# Altium PCB motordriver-v5.2.PcbDoc (part 1 of 7) (continued)
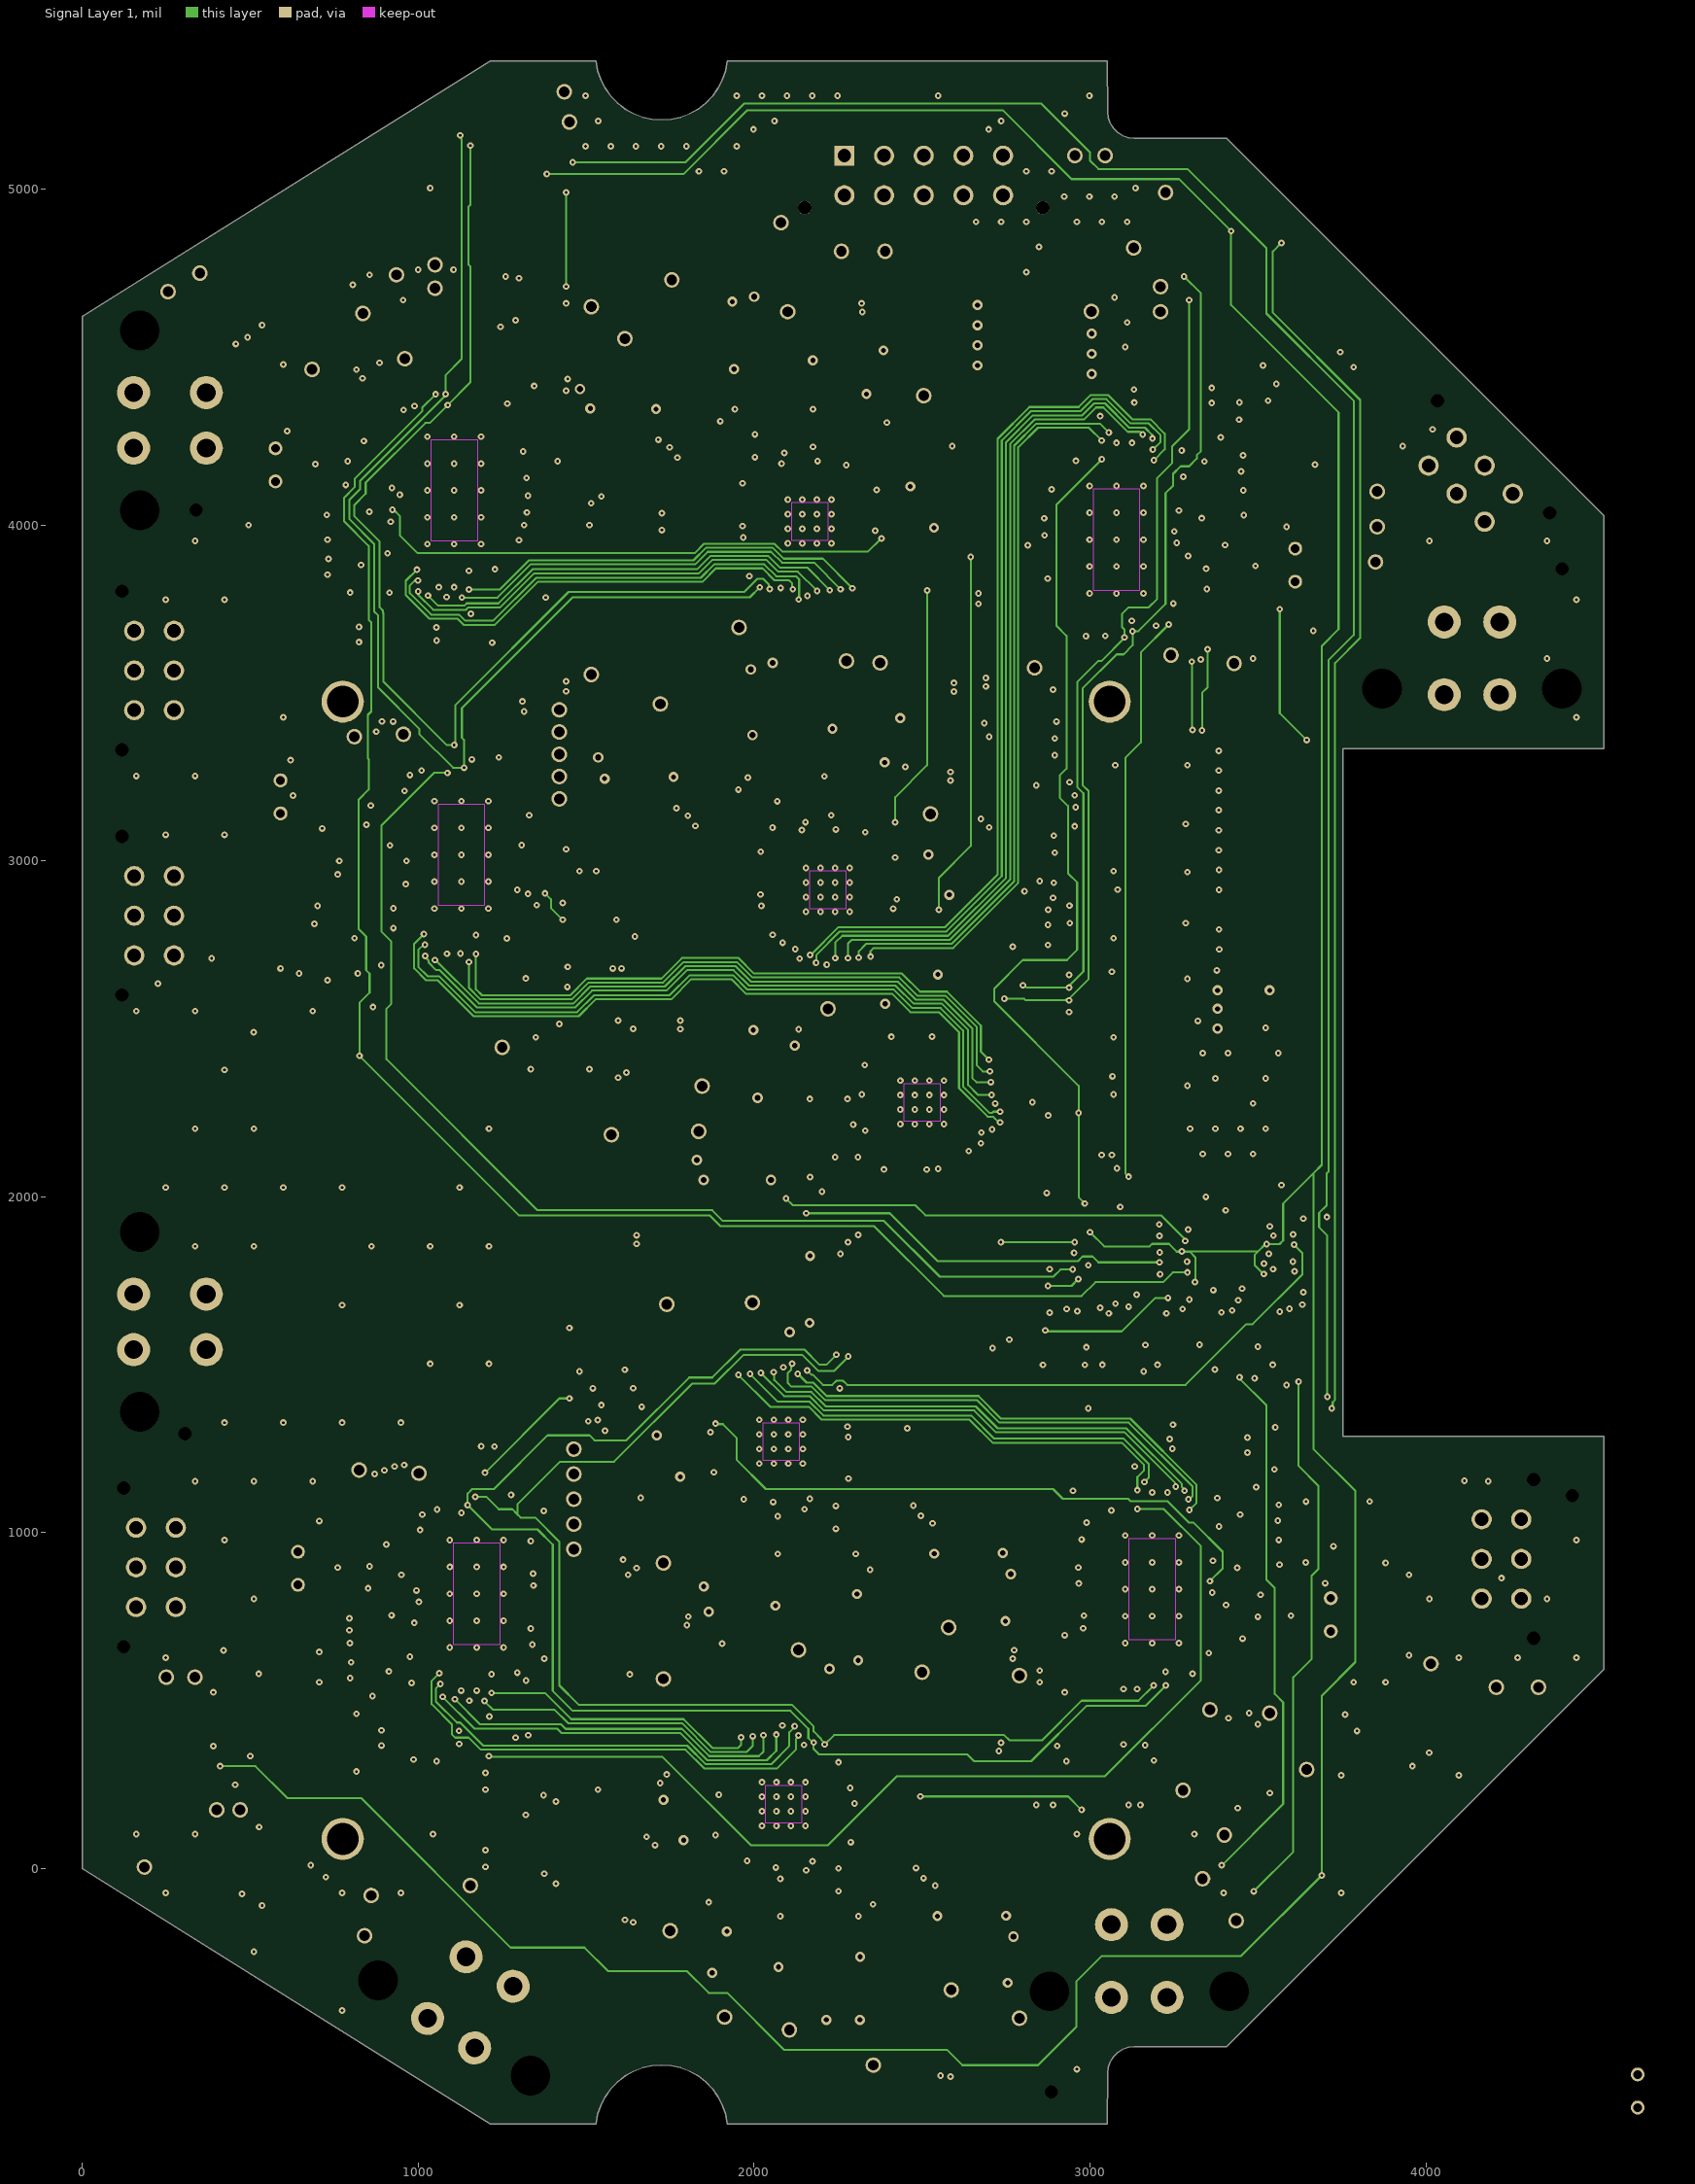
[diagram p3: Signal Layer 1]
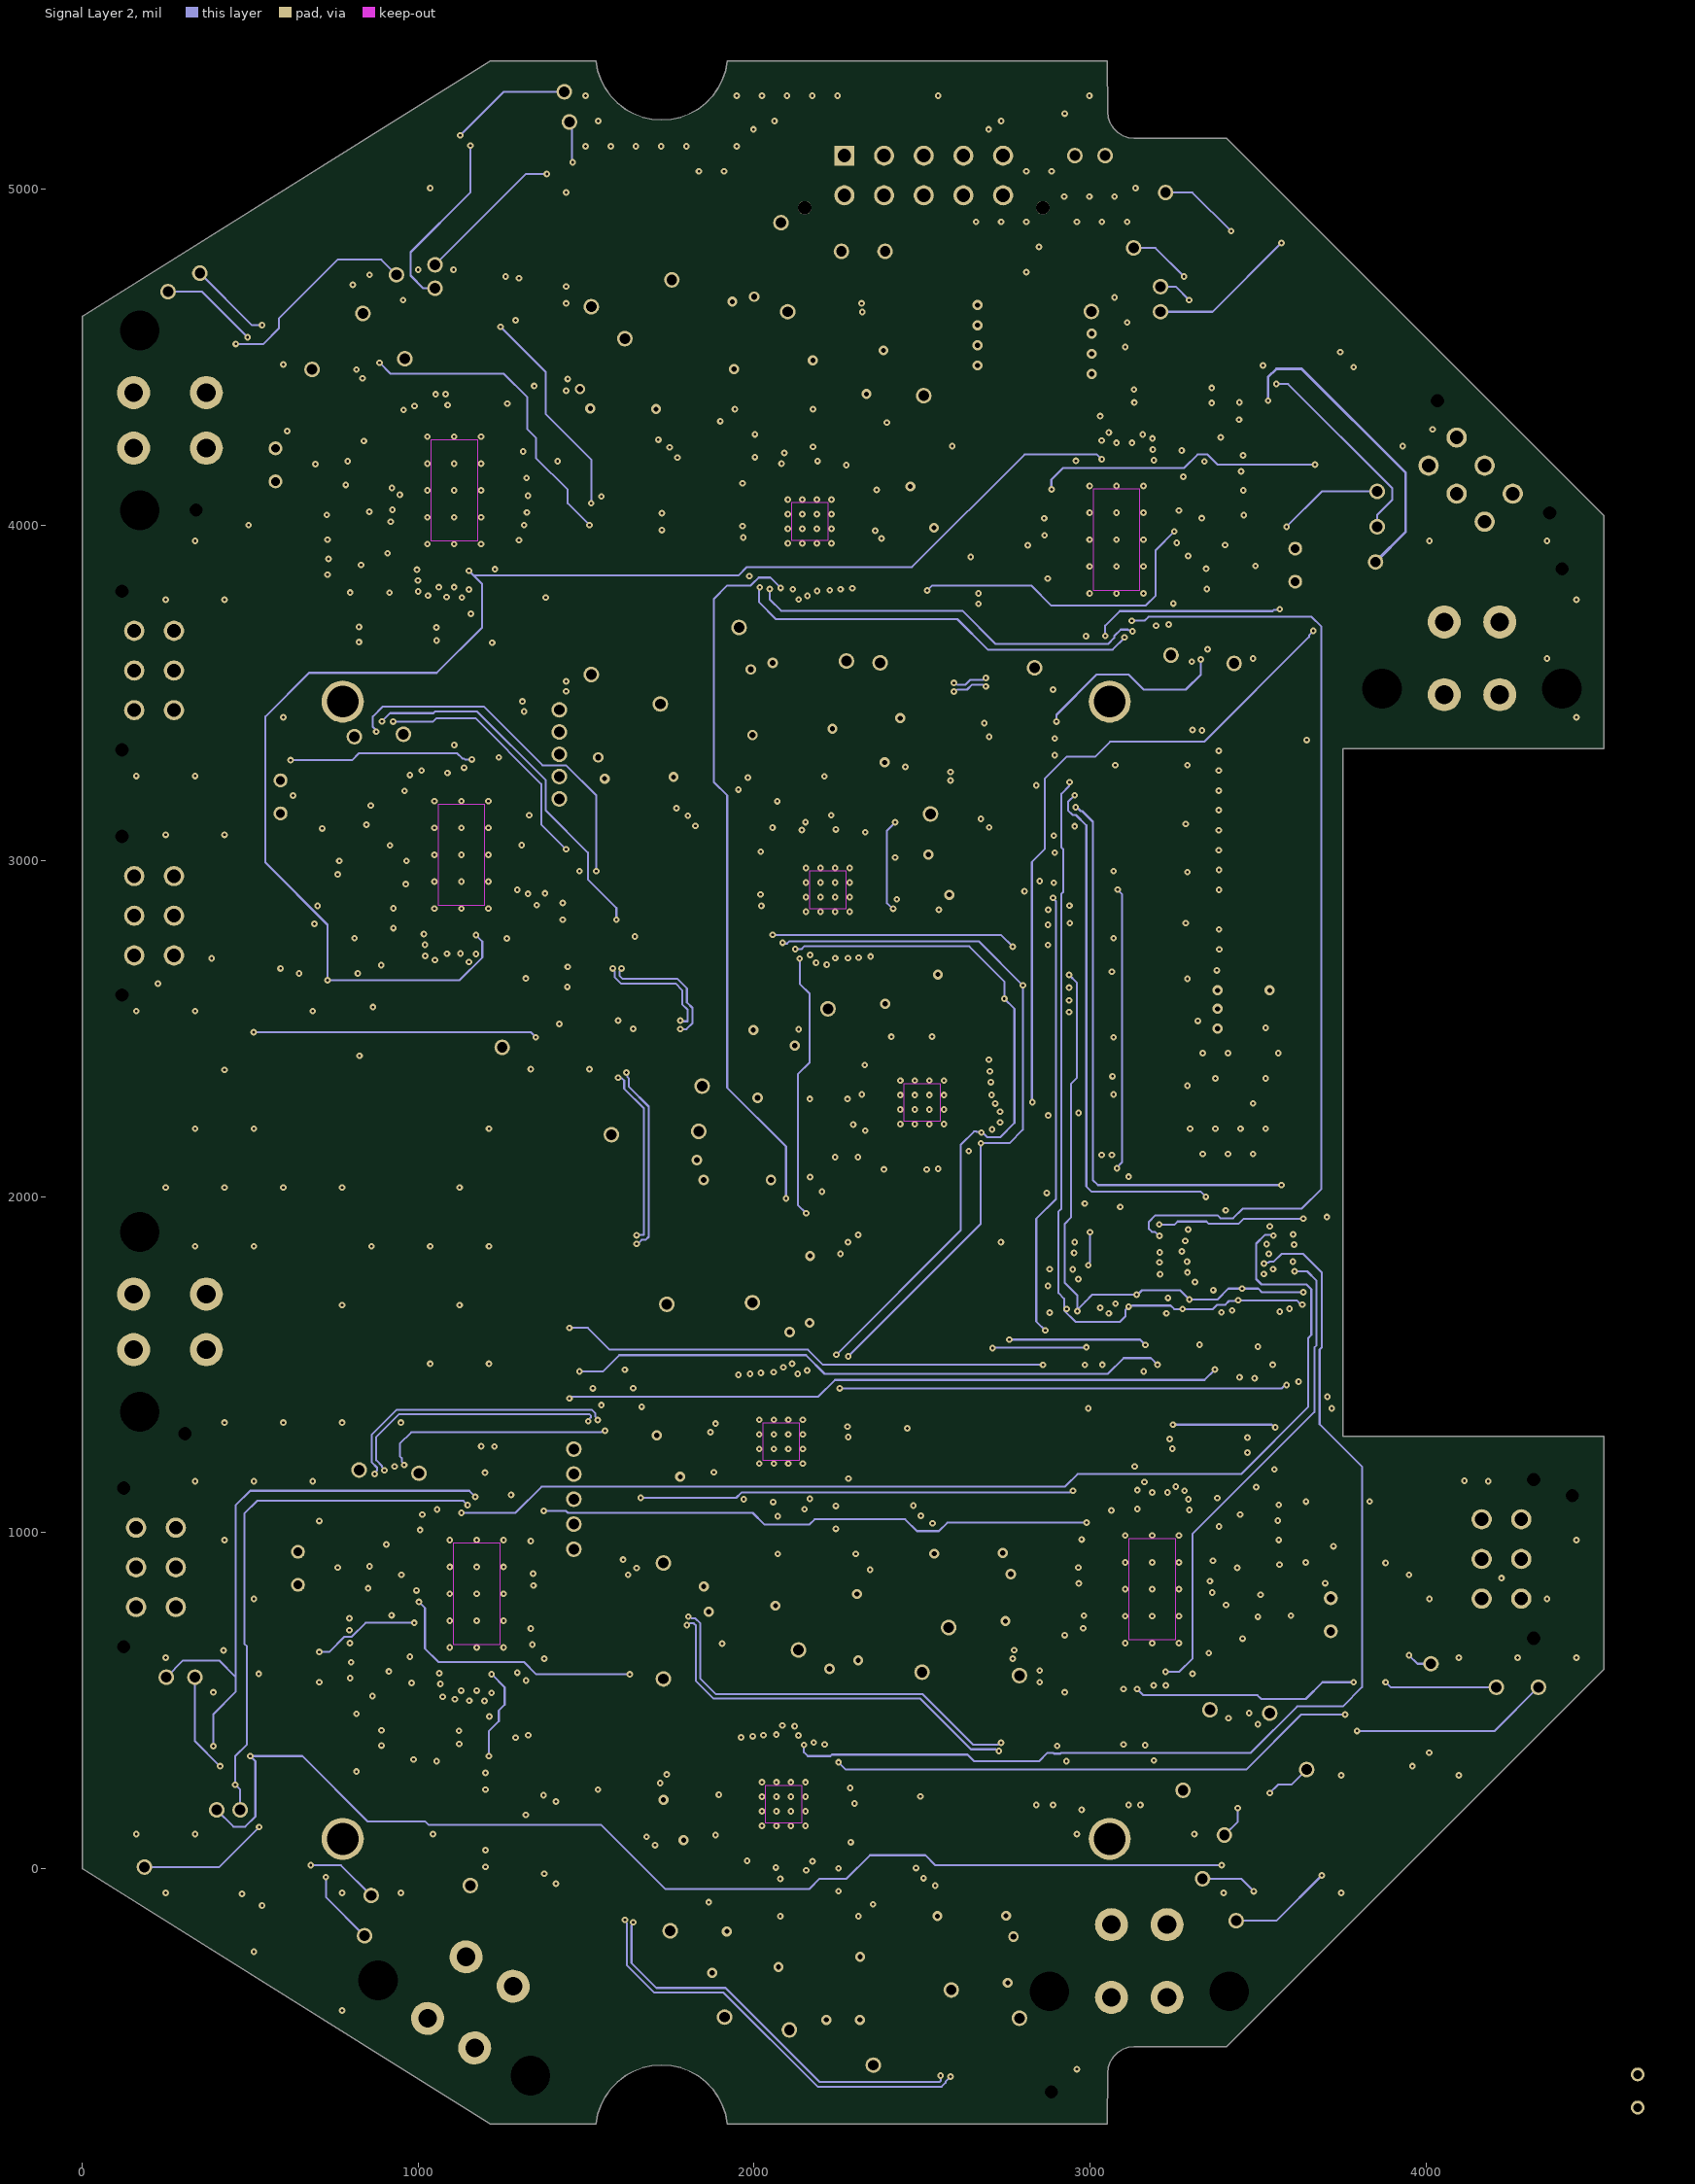
[diagram p4: Signal Layer 2]
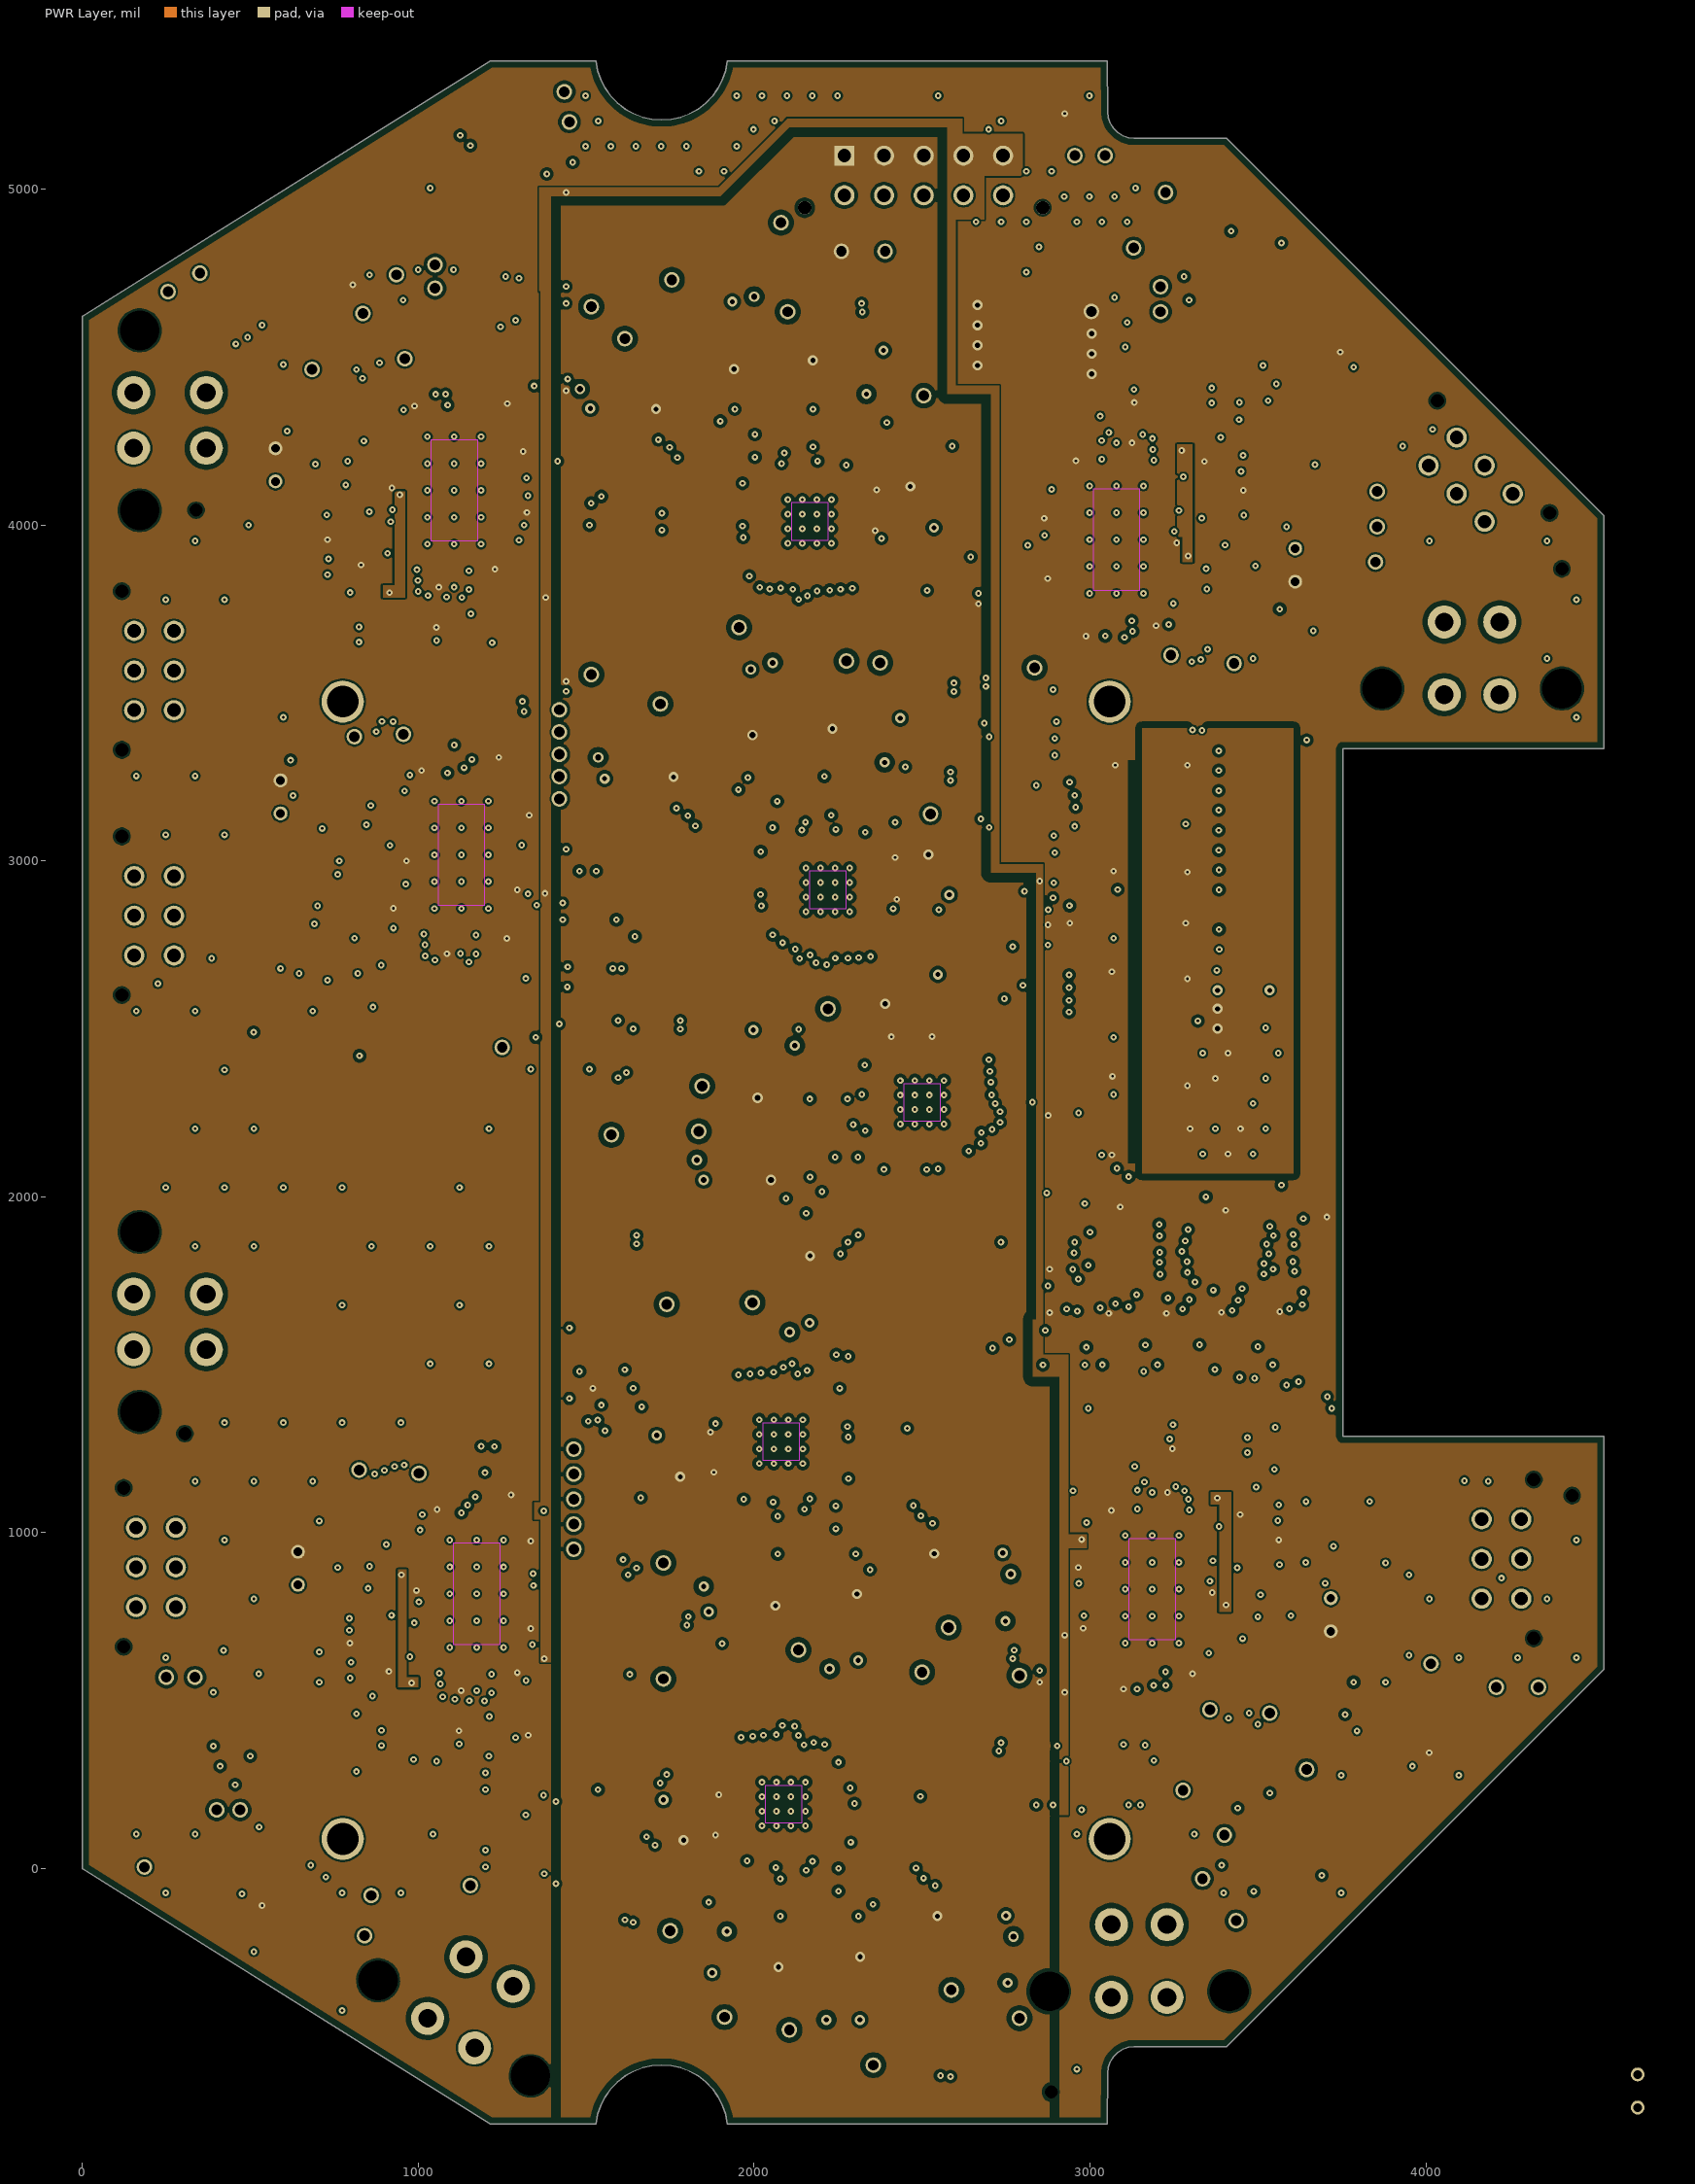
[diagram p5: PWR Layer]

## Layer stack, top to bottom
Top Mask: solder mask 0.591, Solder Resist, Dk 3.8
Top Copper: signal copper 1.4
Dielectric 1: prepreg 4.05, 2116, Dk 4.2
Dielectric 2: prepreg 4.05, 2116, Dk 4.2
GND Layer 1: signal copper 1.4
Core 1: core 14, FR-4, Dk 4.2
Signal Layer 1: signal copper 1.4
Dielectric 3: prepreg 2.8, 2116, Dk 4.2
Dielectric 4: prepreg 2.8, 2116, Dk 4.2
Signal Layer 2: signal copper 1.4
Core 2: core 14, FR-4, Dk 4.2
PWR Layer: signal copper 1.4
Dielectric 5: prepreg 4.05, 2116, Dk 4.2
Dielectric 6: prepreg 4.05, 2116, Dk 4.2
Bottom Copper: signal copper 1.4
Bottom Mask: solder mask 0.591, Solder Resist, Dk 3.8

## Board outline
1529.03,-760.15 1534.23,-731.85 1543.48,-704.64 1556.59,-679.05 1573.32,-655.62 1593.28,-634.92 1616.04,-617.32 1641.08,-603.26 1667.97,-592.99 1696.04,-586.73 1724.7,-584.6 1753.4,-586.73 1781.47,-592.99 1808.32,-603.26 1833.4,-617.32 1856.16,-634.92 1876.12,-655.62 1892.85,-679.05 1905.96,-704.64 1915.21,-731.85 1920.41,-760.15 3051,-760.15 3052.77,-608.93 3054.74,-591.41 3060.56,-574.76 3069.93,-559.84 3082.42,-547.36 3097.34,-537.99 3113.99,-532.16 3131.51,-530.19 3406.43,-530.19 4530,593.43 4530,1287.09 3752.34,1287.09 3752.34,3334.34 4530,3334.34 4530,4028.05 3406.43,5151.62 3131.51,5151.62 3113.99,5153.59 3097.34,5159.41 3082.42,5168.78 3069.93,5181.27 3060.56,5196.19 3054.74,5212.84 3052.77,5230.36 3051,5381.58 1920.41,5381.58 1915.21,5353.31 1905.96,5326.07 1892.81,5300.48 1876.12,5277.05 1856.16,5256.34 1833.4,5238.75 1808.32,5224.69 1781.47,5214.41 1753.4,5208.15 1724.7,5206.03 1696.04,5208.15 1667.97,5214.41 1641.08,5224.69 1616.04,5238.75 1593.28,5256.34 1573.32,5277.05 1556.59,5300.48 1543.48,5326.07 1534.23,5353.31 1529.03,5381.58 1214.07,5381.58 878.32,5171.34 -0.01,4621.42 -0.01,0.01 878.32,-549.92 1214.07,-760.15

## Design rules (kind name [scope] priority, off if disabled: settings)
BoardOutlineClearance [All] p1: gap=20 ignorepadtopadclearanceinfootprint=FALSE
Clearance "Stitching JETSON_GND" [IsStitchingVia and InNet('JETSON_GND') vs (IsVia and (Not IsStitchingVia)) Or IsPad] p1: gap=10 ignorepadtopadclearanceinfootprint=FALSE
Clearance "Stitching GND" [IsStitchingVia and InNet('GND') vs (IsVia and (Not IsStitchingVia)) Or IsPad] p2: gap=20 ignorepadtopadclearanceinfootprint=FALSE
Clearance Clearance_HighFreq [InNetClass('HIGHFREQ')] p3: gap=10 ignorepadtopadclearanceinfootprint=TRUE except(8: SMDPad-SMDPad; 9: Arc-SMDPad Track-SMDPad; 9.5: Arc-Arc Arc-Track Track-Track)
Clearance Clearance_Phases_diff [InNetClass('Phases') vs (InDifferentialPairClass('All Differential Pairs'))] p4: gap=15 ignorepadtopadclearanceinfootprint=TRUE except(0: Arc-Fill Track-Fill SMDPad-Fill THPad-Fill Via-Fill Fill-Fill; 3: Track-SMDPad; 10: Arc-SMDPad)
Clearance Clearance_Phases [InNetClass('Phases')] p5: gap=15 ignorepadtopadclearanceinfootprint=TRUE except(0: Track-Fill SMDPad-Fill; 9.8: Fill-Fill; 10: Arc-SMDPad Track-SMDPad)
Clearance Clearance_VCC_Poly [IsRegion AND (InNetClass('VCC')) vs IsRegion] p6: gap=30 ignorepadtopadclearanceinfootprint=TRUE
Clearance Clearance_VCC [InNetClass('VCC')] p7: gap=10 ignorepadtopadclearanceinfootprint=TRUE
Clearance Clearance_JETSON_Poly [IsRegion AND (InNet('JETSON_3V3') OR InNet('JETSON_GND')) vs IsRegion] p8: gap=20 ignorepadtopadclearanceinfootprint=TRUE
Clearance [All] p9: gap=6 ignorepadtopadclearanceinfootprint=TRUE except(0: SMDPad-Fill Fill-Fill)
ComponentClearance ComponentClearance_fiducial [HasFootprint('Fiducial')] p1: gap=-50 collisioncheckmode=3 verticalgap=100000 showdistances=FALSE
ComponentClearance [All] p2: gap=10 collisioncheckmode=3 verticalgap=10 showdistances=FALSE donotcheckwithout3dbody=TRUE
DiffPairsRouting [All] p1: maxlimit=75 minlimit=8 mostfreqgap=8 toplayer_minwidth=6 toplayer_maxwidth=10 toplayer_prefwidth=6 midlayer1_maxgap=10 midlayer1_minwidth=6 midlayer1_maxwidth=10 midlayer1_prefwidth=6 midlayer2_maxgap=10 midlayer2_minwidth=6 midlayer2_maxwidth=10 midlayer2_prefwidth=6 midlayer3_maxgap=10 midlayer3_minwidth=6 midlayer3_maxwidth=10 midlayer3_prefwidth=6 midlayer4_maxgap=10 midlayer4_minwidth=6 midlayer4_maxwidth=10 midlayer4_prefwidth=6 bottomlayer_minwidth=6 bottomlayer_maxwidth=10 bottomlayer_prefwidth=6 maxuncoupledlength=500
HoleSize [All] p1: absolutevalues=TRUE maxlimit=157.48 minlimit=7.87 maxpercent=80.000 minpercent=20.000
MinimumSolderMaskSliver [All] p1: minsoldermaskwidth=3.94
PlaneClearance PlaneClearance_VCC [InNetClass('VCC')] p1: clearance=23
PlaneClearance [All] p2: clearance=12
PlaneConnect [All] p1: planeconnectstyle=Direct reliefexpansion=20 reliefentries=4 reliefconductorwidth=10 reliefairgap=10
PolygonConnect PolygonConnect_GND [All vs InNamedPolygon('GND')] p1: thpad.connectstyle=Relief thpad.reliefconductorwidth=10 thpad.reliefentries=4 thpad.polygonreliefangle="90 Angle" thpad.airgapwidth=10 smdpad.connectstyle=Relief smdpad.reliefconductorwidth=10 smdpad.reliefentries=4 smdpad.polygonreliefangle="90 Angle" smdpad.airgapwidth=10 via.connectstyle=Direct via.reliefconductorwidth=10 via.reliefentries=4 via.polygonreliefangle="90 Angle" via.airgapwidth=10
PolygonConnect PolygonConnect_PGND [All vs InNamedPolygon('PGND')] p2: thpad.connectstyle=Relief thpad.reliefconductorwidth=10 thpad.reliefentries=4 thpad.polygonreliefangle="90 Angle" thpad.airgapwidth=10 smdpad.connectstyle=Relief smdpad.reliefconductorwidth=10 smdpad.reliefentries=4 smdpad.polygonreliefangle="90 Angle" smdpad.airgapwidth=10 via.connectstyle=Direct via.reliefconductorwidth=10 via.reliefentries=4 via.polygonreliefangle="90 Angle" via.airgapwidth=10
PolygonConnect [All] p3: connectstyle=Direct reliefconductorwidth=10 reliefentries=4 polygonreliefangle="90 Angle" airgapwidth=10
RoomDefinition "LP Filter 11" [InComponentClass('LP Filter 11')] p1: confinementstyle=ConfineIn formatcopy=TRUE lockcomponents=FALSE outline 3611.5,2655 3397.51,2655 3397.51,2705 3611.5,2705
RoomDefinition "LP Filter 10" [InComponentClass('LP Filter 10')] p2: confinementstyle=ConfineIn formatcopy=TRUE lockcomponents=FALSE outline 3613.99,2759.07 3613.99,2713.07 3399.49,2713.07 3399.49,2759.07
RoomDefinition "LP Filter 2" [InComponentClass('LP Filter 2')] p3: confinementstyle=ConfineIn formatcopy=TRUE lockcomponents=FALSE outline 2906,2390 2860,2390 2860,2604.5 2906,2604.5
RoomDefinition U_isolation_3 [InComponentClass('U_isolation_3')] p4: confinementstyle=ConfineIn formatcopy=TRUE lockcomponents=FALSE outline 2934,2085 2934,2403 3320,2403 3320,2085
RoomDefinition U_isolation_0 [InComponentClass('U_isolation_0')] p5: confinementstyle=ConfineIn formatcopy=TRUE lockcomponents=FALSE outline 2934,2403 2934,2721 3320,2721 3320,2403
RoomDefinition U_isolation_2 [InComponentClass('U_isolation_2')] p6: confinementstyle=ConfineIn formatcopy=TRUE lockcomponents=FALSE outline 2934,2721 2934,3039 3320,3039 3320,2721
RoomDefinition U_isolation_1 [InComponentClass('U_isolation_1')] p7: confinementstyle=ConfineIn formatcopy=TRUE lockcomponents=FALSE outline 2934,3039 2934,3357 3320,3357 3320,3039
RoomDefinition "Trinamic Controller 1" [InComponentClass('Trinamic Controller 1')] p8: confinementstyle=ConfineIn formatcopy=TRUE lockcomponents=FALSE outline 2960.58,437.88 3750.99,437.88 3750.99,1428.18 2960.58,1428.18
RoomDefinition "Trinamic Controller 0" [InComponentClass('Trinamic Controller 0')] p9: confinementstyle=ConfineIn formatcopy=TRUE lockcomponents=FALSE outline 1398.4,1212.07 607.99,1212.07 607.99,221.78 1398.4,221.78
RoomDefinition "Driver Power Stage 3" [InComponentClass('Driver Power Stage 3')] p10: confinementstyle=ConfineIn formatcopy=TRUE lockcomponents=FALSE outline 1422.99,4848.57 1422.99,3769.07 2556.85,3769.07 2556.85,4848.57
RoomDefinition "Driver Power Stage 2" [InComponentClass('Driver Power Stage 2')] p11: confinementstyle=ConfineIn formatcopy=TRUE lockcomponents=FALSE outline 1477.1,3751.89 1477.1,2672.39 2610.96,2672.39 2610.96,3751.89
RoomDefinition "Driver Power Stage 4" [InComponentClass('Driver Power Stage 4')] p12: confinementstyle=ConfineIn formatcopy=TRUE lockcomponents=FALSE outline 1662.49,1539.07 2741.99,1539.07 2741.99,2672.93 1662.49,2672.93
RoomDefinition "Trinamic Controller 4" [InComponentClass('Trinamic Controller 4')] p13: confinementstyle=ConfineIn formatcopy=TRUE lockcomponents=FALSE outline 549,2469.07 1356.99,2469.07 1356.99,3428.07 549,3428.07
RoomDefinition "LP Filter 1" [InComponentClass('LP Filter 1')] p14: confinementstyle=ConfineIn formatcopy=TRUE lockcomponents=FALSE outline 3613.49,2818.07 3613.49,2772.07 3398.99,2772.07 3398.99,2818.07
RoomDefinition "LP Filter 9" [InComponentClass('LP Filter 9')] p15: confinementstyle=ConfineIn formatcopy=TRUE lockcomponents=FALSE outline 3613.49,2995.07 3613.49,2949.07 3398.99,2949.07 3398.99,2995.07
RoomDefinition "LP Filter 8" [InComponentClass('LP Filter 8')] p16: confinementstyle=ConfineIn formatcopy=TRUE lockcomponents=FALSE outline 3612.49,3350.07 3612.49,3304.07 3397.99,3304.07 3397.99,3350.07
RoomDefinition "LP Filter 7" [InComponentClass('LP Filter 7')] p17: confinementstyle=ConfineIn formatcopy=TRUE lockcomponents=FALSE outline 3612.99,3054.07 3612.99,3008.07 3398.49,3008.07 3398.49,3054.07
RoomDefinition "LP Filter 6" [InComponentClass('LP Filter 6')] p18: confinementstyle=ConfineIn formatcopy=TRUE lockcomponents=FALSE outline 3612.99,3113.07 3612.99,3067.07 3398.49,3067.07 3398.49,3113.07
RoomDefinition "LP Filter 5" [InComponentClass('LP Filter 5')] p19: confinementstyle=ConfineIn formatcopy=TRUE lockcomponents=FALSE outline 3612.99,3173.07 3612.99,3127.07 3398.49,3127.07 3398.49,3173.07
RoomDefinition "LP Filter 4" [InComponentClass('LP Filter 4')] p20: confinementstyle=ConfineIn formatcopy=TRUE lockcomponents=FALSE outline 3612.99,3231.07 3612.99,3185.07 3398.49,3185.07 3398.49,3231.07
RoomDefinition "LP Filter 3" [InComponentClass('LP Filter 3')] p21: confinementstyle=ConfineIn formatcopy=TRUE lockcomponents=FALSE outline 3612.99,3291.07 3612.99,3245.07 3398.49,3245.07 3398.49,3291.07
RoomDefinition "LP Filter 0" [InComponentClass('LP Filter 0')] p22: confinementstyle=ConfineIn formatcopy=TRUE lockcomponents=FALSE outline 3613.49,2936.07 3613.49,2890.07 3398.99,2890.07 3398.99,2936.07
RoomDefinition "Trinamic Controller 3" [InComponentClass('Trinamic Controller 3')] p23: confinementstyle=ConfineIn formatcopy=TRUE lockcomponents=FALSE outline 1331.4,4497.07 528.99,4497.07 528.99,3506.78 1331.4,3506.78
RoomDefinition "Trinamic Controller 2" [InComponentClass('Trinamic Controller 2')] p24: confinementstyle=ConfineIn formatcopy=TRUE lockcomponents=FALSE outline 2854.58,3562.78 3644.99,3562.78 3644.99,4553.07 2854.58,4553.07
RoomDefinition "Driver Power Stage 0" [InComponentClass('Driver Power Stage 0')] p25: confinementstyle=ConfineIn formatcopy=TRUE lockcomponents=FALSE outline 2830.4,-645.43 2830.4,434.07 1696.54,434.07 1696.54,-645.43
RoomDefinition "Driver Power Stage 1" [InComponentClass('Driver Power Stage 1')] p26: confinementstyle=ConfineIn formatcopy=TRUE lockcomponents=FALSE outline 2822.53,433.31 2822.53,1512.81 1688.67,1512.81 1688.67,433.31
RoutingVias RoutingVias_phases [InNetClass('Phases') AND InNetClass('VCC')] p1: holewidth=17.72 width=31.5 viastyle="Through Hole" minholewidth=17.72 minwidth=31.5 maxholewidth=17.72 maxwidth=31.5
RoutingVias RoutingVias_signals [InDifferentialPairClass('All Differential Pairs')   AND InNetClass('Signals') AND InNetClass('HIGHFREQ')] p2: holewidth=9.84 width=19.68 viastyle="Through Hole" minholewidth=9.84 minwidth=19.68 maxholewidth=9.84 maxwidth=19.68
ShortCircuit ShortCircuit_special [(InDifferentialPairClass('All Differential Pairs') OR InNetClass('DiffPairs')) vs InNetClass('Phases')] p1: allowed=TRUE
ShortCircuit [All] p2: allowed=FALSE
SilkToSilkClearance [All] p1: silktosilkclearance=3.94
SilkToSolderMaskClearance [IsPad] p1: minsilkscreentomaskgap=3.94 clearancetoexposedcopper=TRUE
SolderMaskExpansion [All] p1: expansion=4 istentingtop=FALSE
Width Width_HighFreq [InNetClass('HIGHFREQ')] p1: maxlimit=10 minlimit=6 preferedwidth=6